# Altium PCB Graviton-RB1.PcbDoc (part 9 of 11) (continued)
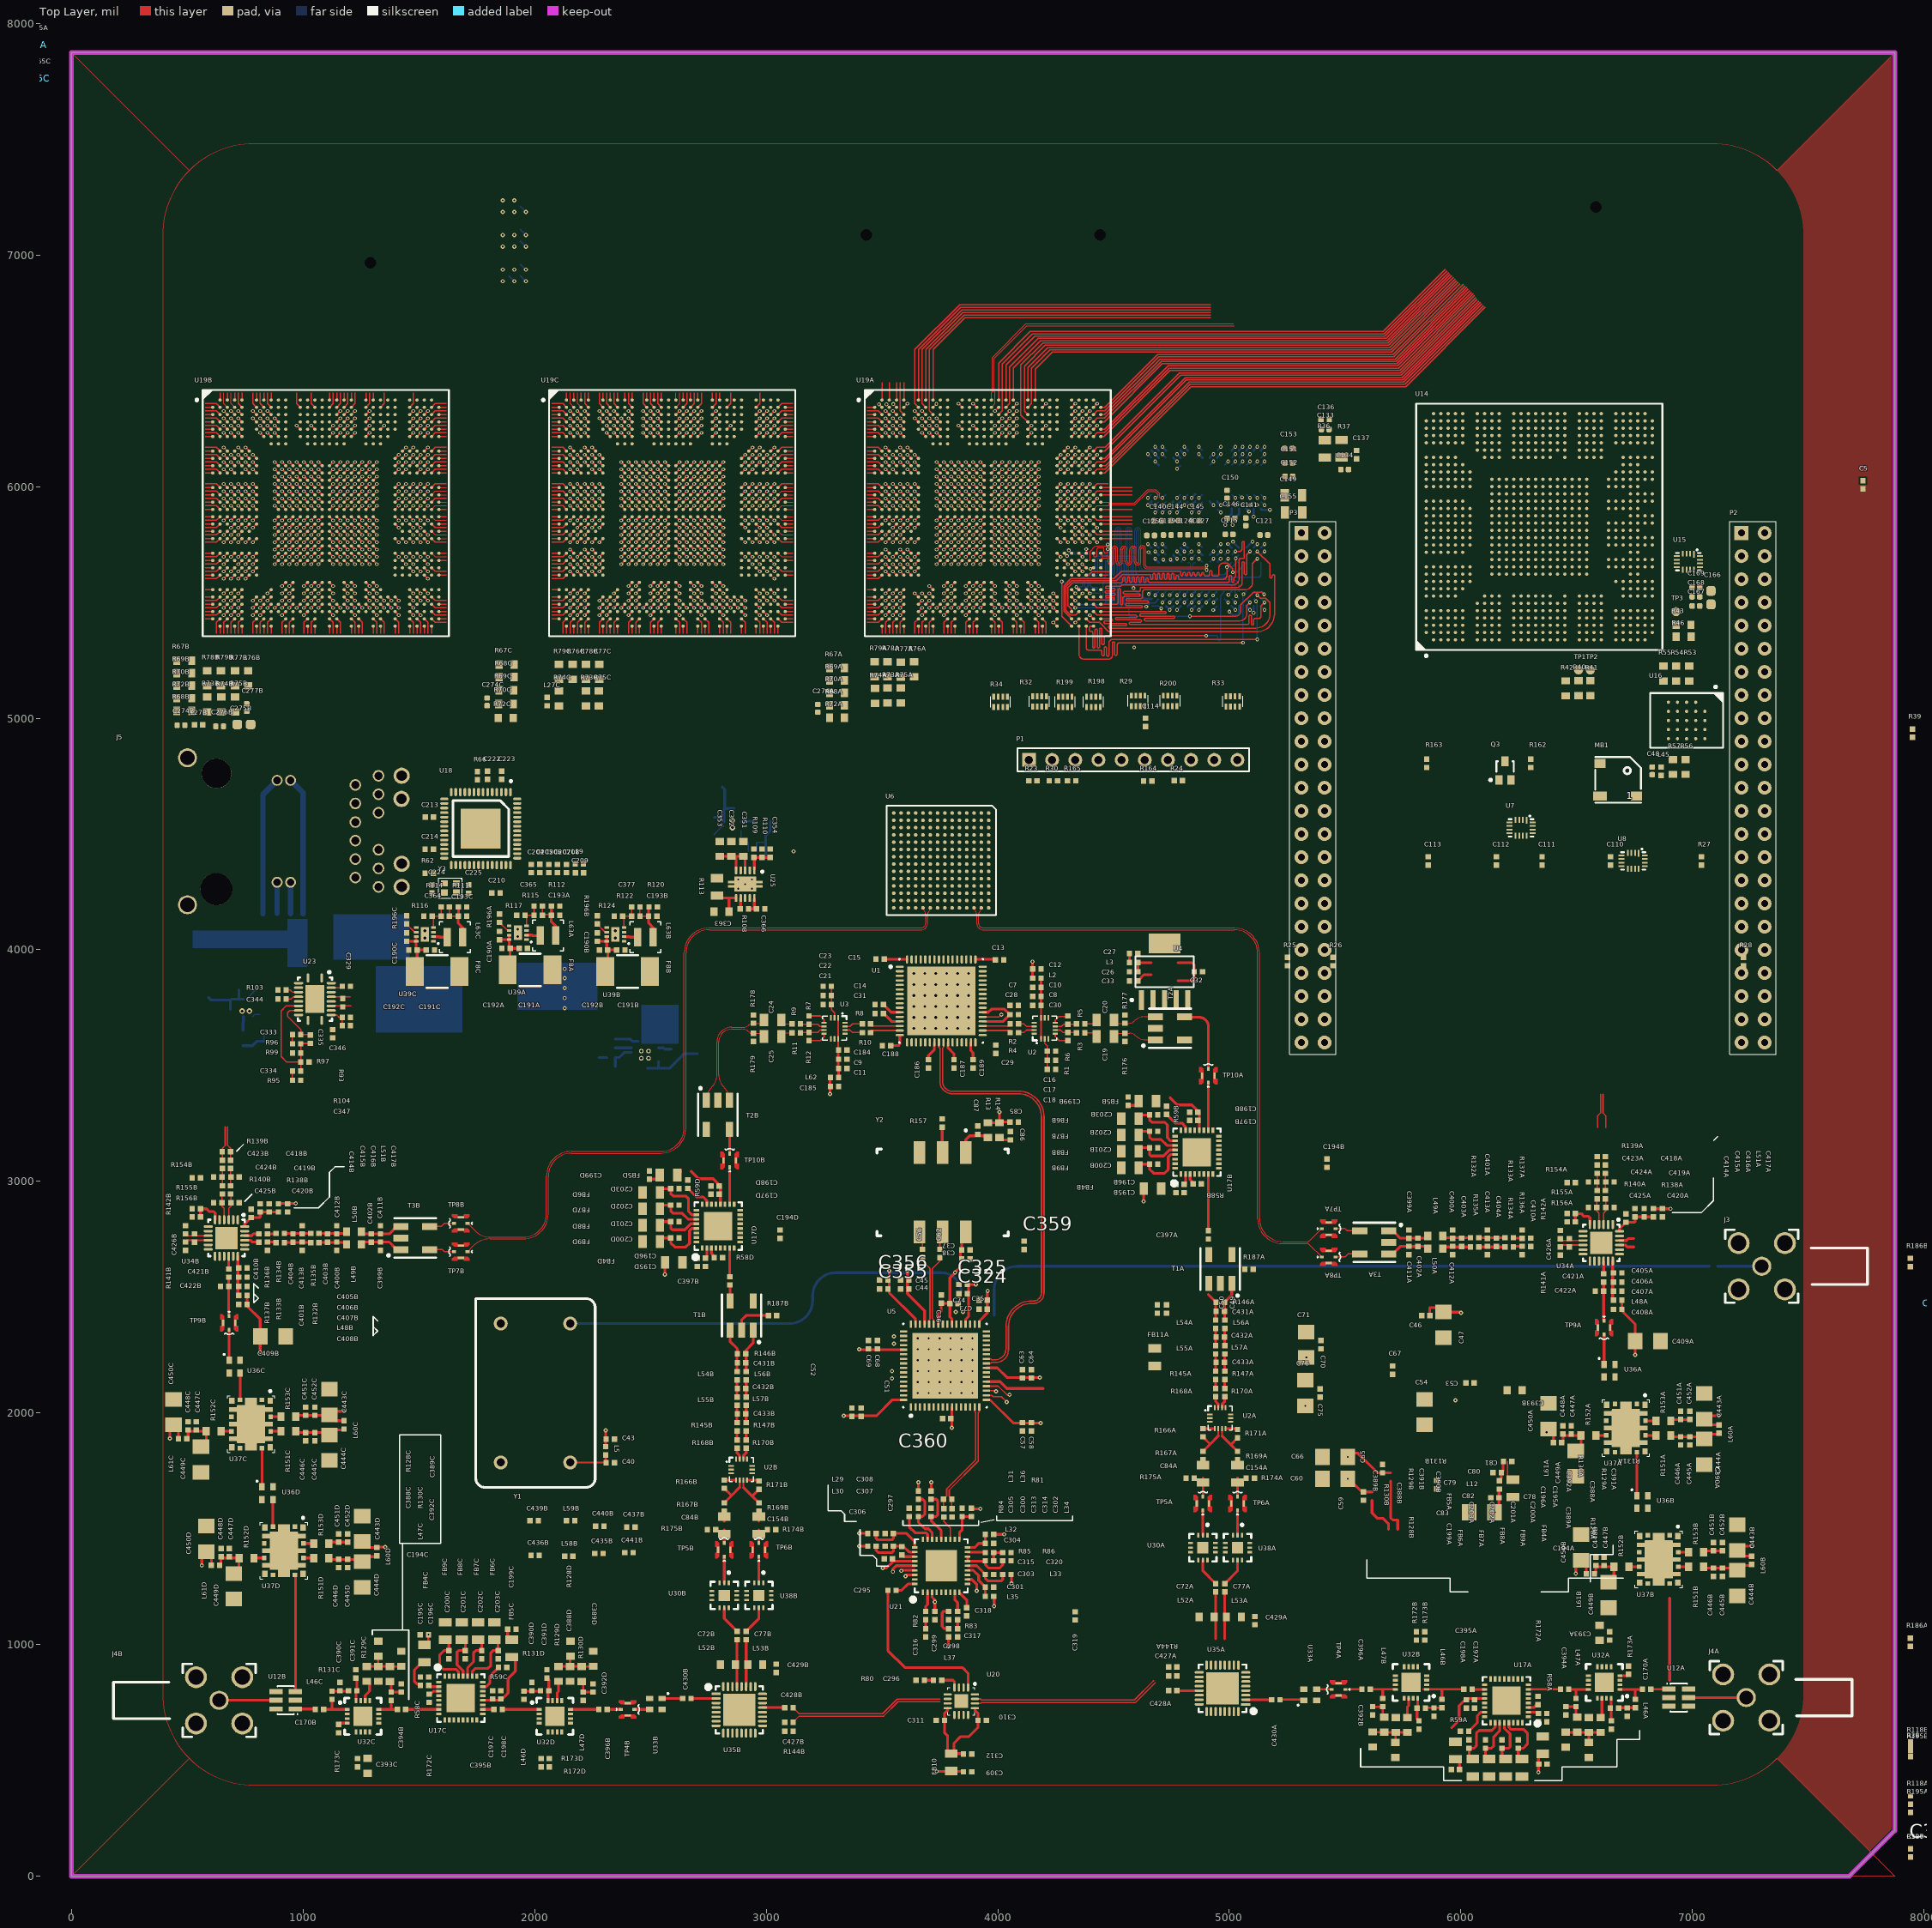
[diagram p0: Top Layer view]
## Nets (pads, with @x,y where several pads share a name; then routed paths per layer and width w, separated by ;. In a path a pad name is that pad's centre, name@x,y a point inside that pad or via, vN(x,y) a via of type N, cw(c..) or ccw(c..) an arc to the next point about the centre after c; other vN are vias at no path point) (continued)
  Top Layer w5: v1(2279.53,6106.3) U19C.K7@2295.28,6090.55
P2B.DDRCC.S37: J2.263 U19C.K5 | length 22.3
  Top Layer w5: v1(2216.54,6106.3) U19C.K5@2232.28,6090.55
P2B.DDRCC.S38: J2.265 U19C.L4 | length 22.3
  Top Layer w5: v1(2185.04,6074.8) U19C.L4@2200.79,6059.06
P2B.DDRCC.S39: J2.266 U19C.N3 | length 22.3
  Top Layer w5: v1(2153.54,6011.81) U19C.N3@2169.29,5996.06
P2B.DDRCC.S40: J2.268 U19C.N4 | length 22.3
  Top Layer w5: v1(2185.04,6011.81) U19C.N4@2200.79,5996.06
P2B.DDRCC.S41: J2.269 U19C.L7 | length 22.3
  Top Layer w5: v1(2279.53,6074.8) U19C.L7@2295.28,6059.06
P2B.DDRCC.S42: J2.272 U19C.L6 | length 22.3
  Top Layer w5: v1(2248.03,6074.8) U19C.L6@2263.78,6059.06
P2B.DDRCC.S43: J2.273 U19C.N6 | length 22.3
  Top Layer w5: v1(2248.03,6011.81) U19C.N6@2263.78,5996.06
P2B.DDRCC.S44: J2.275 U19C.N7 | length 22.3
  Top Layer w5: v1(2279.53,6011.81) U19C.N7@2295.28,5996.06
P2B.DDRCC.S45: J2.276 U19C.C5 | length 22.3
  Top Layer w5: v1(2216.54,6326.77) U19C.C5@2232.28,6311.02
P2B.DDRCC.S46: J2.278 U19C.D5 | length 22.3
  Top Layer w5: v1(2216.54,6295.28) U19C.D5@2232.28,6279.53
P2B.SDRCC.S2: J2.285 U19C.A2 | length 32.1
  Top Layer w4.72: U19C.A2@2137.8,6374.02 2137.8,6406.1
P2B.SDRCC.S3: J2.286 U19C.A3 | length 32.1
  Top Layer w4.72: U19C.A3@2169.29,6374.02 2169.29,6406.1
P2B.SDRCC.S4: J2.288 U19C.A4 | length 32.1
  Top Layer w4.72: U19C.A4@2200.79,6374.02 2200.79,6406.1
P2B.SDRCC.S5: J2.289 U19C.A5 | length 32.1
  Top Layer w4.72: U19C.A5@2232.28,6374.02 2232.28,6406.1
P2B.SDRCC.S6: J2.292 U19C.D7 | length 22.3
  Top Layer w5: v1(2279.53,6295.28) U19C.D7@2295.28,6279.53
P2B.SDRCC.S7: J2.293 U19C.C7 | length 22.3
  Top Layer w5: v1(2279.53,6326.77) U19C.C7@2295.28,6311.02
P2B.SDRCC.S8: J2.295 U19C.B7 | length 70.1
  Top Layer w4.72: 2279.53,6406.1 2279.53,6358.27 U19C.B7@2295.28,6342.52
P2B.SDRCC.S9: J2.296 U19C.A7 | length 32.1
  Top Layer w4.72: U19C.A7@2295.28,6374.02 2295.28,6406.1
P2B.SDRCC.S10: J2.298 U19C.F8 | length 22.3
  Top Layer w5: v1(2311.02,6232.28) U19C.F8@2326.77,6216.54
P2B.SDRCC.S11: J2.299 U19C.E8 | length 22.3
  Top Layer w5: v1(2311.02,6263.78) U19C.E8@2326.77,6248.03
P2B.SDRCC.S12: J2.302 U19C.D8 | length 22.3
  Top Layer w5: v1(2311.02,6295.28) U19C.D8@2326.77,6279.53
P2B.SDRCC.S13: J2.303 U19C.C8 | length 22.3
  Top Layer w5: v1(2311.02,6326.77) U19C.C8@2326.77,6311.02
P2B.SDRCC.S14: J2.305 U19C.B8 | length 70.1
  Top Layer w4.72: 2311.02,6406.1 2311.02,6358.27 U19C.B8@2326.77,6342.52
P2B.SDRCC.S15: J2.306 U19C.A8 | length 32.1
  Top Layer w4.72: U19C.A8@2326.77,6374.02 2326.77,6406.1
P2B.SDRCC.S16: J2.308 U19C.F9 | length 22.3
  Top Layer w5: v1(2342.52,6232.28) U19C.F9@2358.27,6216.54
P2B.SDRCC.S17: J2.309 U19C.D9 | length 22.3
  Top Layer w5: v1(2342.52,6295.28) U19C.D9@2358.27,6279.53
P2B.SDRCC.S18: J2.312 U19C.C9 | length 22.3
  Top Layer w5: v1(2342.52,6326.77) U19C.C9@2358.27,6311.02
P2B.SDRCC.S19: J2.313 U19C.A9 | length 32.1
  Top Layer w4.72: U19C.A9@2358.27,6374.02 2358.27,6406.1
P2B.SDRCC.S20: J2.315 U19C.F10 | length 22.3
  Top Layer w5: v1(2374.02,6232.28) U19C.F10@2389.76,6216.54
P2B.SDRCC.S21: J2.316 U19C.E10 | length 22.3
  Top Layer w5: v1(2374.02,6263.78) U19C.E10@2389.76,6248.03
P2B.SDRCC.S22: J2.318 U19C.D10 | length 22.3
  Top Layer w5: v1(2374.02,6295.28) U19C.D10@2389.76,6279.53
PGOOD-5V: R94.1 U23.11 U24.15 U39A.5 U39B.5 U39C.5 U39D.5 U39E.5
PP1V1: C171.2 C278A.2 C278B.2 C278C.2 C341.2 C342.2 C343.2 L18.1 L28A.1 L28B.1 L28C.1 L40.2 R102.1
PP1V2: C55A.2 C55B.2 C61A.2 C61B.2 C89.2 C93.2 C97.2 C107.2 C246C.2 L13.1 L14.1 L16.1 L23C.2 R112.2 R187A.2 R187B.2 U2A.2 U2B.2
PP1V2-DACCLK: C94.2 C95.2 C96.2 L14.2 U6.C12
PP1V2-DACDVDD: C104.2 C105.2 C106.2 C108.2 C109.2 L16.2 U6.B4 U6.D5 U6.D6 U6.E5 U6.E6 U6.E7 U6.F5 U6.G5 U6.H5 U6.J5 U6.K5 U6.K6 U6.K7 U6.L5 U6.L6
PP1V2-DACVDD: C90.2 C91.2 C92.2 L13.2 U6.D9 U6.E9 U6.E10 U6.F10 U6.G10 U6.H10 U6.J10 U6.K9 U6.K10 U6.L9
PP1V5: C115.2 C116.2 C117.2 C118.2 C119.2 C120.2 C121.2 C122.2 C123.2 C124.2 C125.2 C126.2 C129.2 C130.2 C131.2 C132.2 C135.2 C138.2 C139.2 C140.2 C141.2 C142.2 C143.2 C144.2 C145.2 C146.2 C147.2 C149.2 C151.2 C152.2 C153.2 C155.2 C160.2 C226A.2 C226B.2 C226C.2 C232A.2 C232B.2 C232C.2 C238A.2 C238B.2 C238C.2 C246A.2 C254A.2 C254B.2 C254C.2 C266A.2 C266B.2 C266C.2 C274A.2 C274B.2 C274C.2 C367.2 C368.2 L17.2 L20A.2 L20B.2 L20C.2 L21A.2 L21B.2 L21C.2 L22A.2 L22B.2 L22C.2 L23A.2 L24A.2 L24B.2 L24C.2 L26A.2 L26B.2 L26C.2 L27A.2 L27B.2 L27C.2 R31.1 R67A.2 R67B.2 R67C.2 R68A.2 R68B.2 R68C.2 R69A.2 R69B.2 R69C.2 R70A.2 R70B.2 R70C.2 R71A.2 R71B.2 R71C.2 R109.2 R120.2 U9.A1 U9.A8 U9.B2 U9.C1 U9.C9 U9.D2 U9.D9 U9.E9 U9.F1 U9.G7 U9.H2 U9.H9 U9.K2 U9.K8 U9.N1 U9.N9 U9.R1 U9.R9 U10.A1 U10.A8 U10.B2 U10.C1 U10.C9 U10.D2 U10.D9 U10.E9 U10.F1 U10.G7 U10.H2 U10.H9 U10.K2 U10.K8 U10.N1 U10.N9 U10.R1 U10.R9 U15.5 U15.6 U15.14 U15.16 U25.2 | length 417.3
  Bottom Layer w10: v2(4586,5562) 4632.5,5515.5 U9.A8@4663.75,5515.5 ; U10.A1@4663.75,6156 v2(4679.5,6140.25) ; U9.C9@4726.75,5484 v2(4742.5,5468.25) ; v2(4931.75,5500) U9.K8@4947.25,5515.5 ; v2(5000,5460) 5015,5445 5035,5445 ; v2(5014,5835) 5014,5853.62 5042,5881.62 U10.N9@5042,5904 ; v2(5015.75,5762) U9.N1@5041.75,5736 ; 5041.75,5451.75 5041.75,5461.37 5042,5461.62 5042,5474.88 5041.75,5475.13 U9.N9@5041.75,5484 ; v2(5105,5455) U9.R9@5105,5483.75 ; v2(5105,5870) U10.R9@5105,5904
  other v2: 4774,5468.25 4868.5,5468.25 4837,5531.25 4774,5688.75 4679.5,5720.25 4868.5,5720.25 4963,5720.25 4648,5751.75 4711,5751.75 4805.5,5751.75 5120.5,5751.75 4711,5888.25 4742.5,5888.25 4774,5888.25 4868.5,5888.25 4648,5919.75 4963,5919.75 4837,5951.25 4774,6108.75 4868.5,6140.25 4963,6140.25 4711,6171.75 4805.5,6171.75 5057.5,6171.75 5120.5,6171.75
PP1V8: C13.2 C14.2 C15.2 C112.2 C113.2 C246B.2 L23B.2 R111.2 U1.11 U1.49 U1.64 U7.13 U8.13 | length 269.2
  Top Layer w11.81: C14.2@3506.1,3763.78 3539.57,3730.31 U1.11@3576.77,3730.31 ; C15.2@3510.04,3958.66 U1.64@3608.27,3958.66 ; U1.49@3903.54,3958.66 C13.2@3989.96,3958.66
PP1V8-ADC: C27.2 C28.2 C29.2 C30.2 C31.2 C186.2 C187.2 C188.2 C189.2 L3.1 U1.13 U1.16 U1.23 U1.26 U1.31 U1.33 U1.36 U1.38 | length 717.5
  Top Layer w11.81: C31.2@3506.1,3724.41 3507.87,3724.41 3541.34,3690.94 U1.13@3576.77,3690.94 ; C188.2@3537.6,3586.61 3570.87,3586.61 3576.77,3592.52 U1.16@3576.77,3631.89 ; C186.2@3700.79,3525.79 3700.79,3543.31 3726.38,3568.9 U1.23@3726.38,3600.39 ; U1.26@3785.43,3600.39 3785.43,3576.77 3811.02,3551.18 C187.2@3811.02,3525.79 ; U1.31@3883.86,3600.39 3883.86,3564.96 3893.7,3555.12 C189.2@3893.7,3525.79 ; U1.36@3935.04,3690.94 4023.43,3690.94 C28.2@4052.95,3720.47 4029.33,3744.09 3972.44,3744.09 3958.66,3730.31 U1.38@3935.04,3730.31 ; L3.1@4568.7,3944.88 C27.2@4568.7,3984.25
PP1V8-ENET: C211.2 C212.2 C213.2 C214.2 U18.3 U18.19 U18.26 U18.35 U18.38 U18.39
PP1V-ENET: C220.2 C221.2 C222.2 C223.2 U18.6 U18.40 U18.42
PP2V5: C280A.2 C280B.2 C280C.2 C281A.2 C281B.2 C281C.2 C282A.2 C282B.2 C282C.2 C283A.2 C283B.2 C283C.2 R121.2 U14.AC11 U14.AC22 U14.K13 U14.K20 U14.N10 U14.N23 U14.Y10 U14.Y23 U19A.AC11 U19A.AC22 U19A.K13 U19A.K20 U19A.N10 U19A.N23 U19A.Y10 U19A.Y23 U19B.AC11 U19B.AC22 U19B.K13 U19B.K20 U19B.N10 U19B.N23 U19B.Y10 U19B.Y23 U19C.AC11 U19C.AC22 U19C.K13 U19C.K20 U19C.N10 U19C.N23 U19C.Y10 U19C.Y23 | length 534.5
  Top Layer w5: v1(877.95,5759.84) U19B.Y10@893.7,5775.59 ; v1(877.95,6011.81) U19B.N10@893.7,5996.06 ; v1(909.45,5665.35) U19B.AC11@925.2,5681.1 ; v1(972.44,6106.3) U19B.K13@988.19,6090.55 ; U19B.K20@1208.66,6090.55 v1(1224.41,6106.3) ; U19B.AC22@1271.65,5681.1 v1(1287.4,5665.35) ; U19B.Y23@1303.15,5775.59 v1(1318.9,5759.84) ; U19B.N23@1303.15,5996.06 v1(1318.9,6011.81) ; v1(2374.02,5759.84) U19C.Y10@2389.76,5775.59 ; v1(2374.02,6011.81) U19C.N10@2389.76,5996.06 ; v1(2405.51,5665.35) U19C.AC11@2421.26,5681.1 ; v1(2468.5,6106.3) U19C.K13@2484.25,6090.55 ; U19C.K20@2704.72,6090.55 v1(2720.47,6106.3) ; U19C.AC22@2767.72,5681.1 v1(2783.46,5665.35) ; U19C.Y23@2799.21,5775.59 v1(2814.96,5759.84) ; U19C.N23@2799.21,5996.06 v1(2814.96,6011.81) ; v1(3736.22,5759.84) U19A.Y10@3751.97,5775.59 ; v1(3736.22,6011.81) U19A.N10@3751.97,5996.06 ; v1(3767.72,5665.35) U19A.AC11@3783.46,5681.1 ; v1(3830.71,6106.3) U19A.K13@3846.46,6090.55 ; U19A.K20@4066.93,6090.55 v1(4082.68,6106.3) ; U19A.AC22@4129.92,5681.1 v1(4145.67,5665.35) ; U19A.Y23@4161.42,5775.59 v1(4177.17,5759.84) ; U19A.N23@4161.42,5996.06 v1(4177.17,6011.81)
PP2V7N: C199A.2 C199B.2 C199C.2 C199D.2 FB5A.2 FB5B.2 FB5C.2 FB5D.2 | length 108.7
  Top Layer w11.81: FB5C.2@1883.66,1039.76 C199C.2@1883.66,1066.93 ; C199D.2@2495.67,3009.65 FB5D.2@2522.83,3009.65 ; C199B.2@4562.99,3328.54 FB5B.2@4590.16,3328.54 ; C199A.2@5994.29,460.63 FB5A.2@5994.29,487.8
PP3V3: C6.2 C32.2 C39.2 C46.2 C47.2 C48.2 C53.2 C54.2 C59.2 C60.2 C65.2 C66.2 C70.2 C71.2 C75.2 C76.2 C82.2 C83.2 C88.2 C103.2 C110.2 C111.2 C156.2 C209.2 C258A.2 C258B.2 C258C.2 C299.2 C306.2 C309.2 C326.2 C327.2 C357.2 C358.2 C366.1 C438A.2 C438B.2 C442A.2 C442B.2 FB1.2 FB10.2 L1.1 L4.1 L6.1 L7.1 L8.1 L9.1 L10.1 L11.1 L12.1 L15.1 L19.1 L25A.2 L25B.2 L25C.2 L29.2 L30.2 L31.2 L32.2 L33.2 L34.2 L35.2 L36.2 L37.2 L38.1 L41.1 L45.1 L58A.1 L58B.1 L59A.1 L59B.1 MB1.1 P3.3 P3.4 R23.1 R25.2 R26.1 R27.1 R30.2 R87.2 R100.2 R108.2 R164.2 R180A.2 R180B.2 R183A.2 R183B.2 U4.1 U4.5 U7.14 U8.14 U21.3 U21.31 U25.10 | length 1573.5
  Top Layer w11.81: R108.2@2923.43,4177.17 C366.1@2958.46,4177.17 ; C366.1@2948.82,4177.17 U25.10@2948.82,4220.47 ; v3(3401.57,1425.2) L30.2@3438.78,1425.2 ; v3(3401.57,1480.32) L29.2@3438.78,1480.32 ; v3(3503.94,1330.71) 3519.69,1330.71 3545.47,1356.5 C306.2@3545.47,1370.08 ; C306.2@3545.47,1360.43 U21.31@3641.73,1360.43 ; L31.2@3657.48,1663.58 v3(3657.48,1700.79) ; L36.2@3712.6,1663.58 v3(3712.6,1700.79) ; U21.3@3716.54,1226.57 3716.54,1204.72 3728.35,1192.91 C299.2@3728.35,1143.9 ; v3(3736.22,452.76) C309.2@3850,452.76 ; v3(3787.4,992.13) L37.2@3787.4,1033.27 ; L34.2@3887.99,1586.61 v3(3925.2,1586.61) ; L32.2@3982.48,1476.38 v3(4027.56,1476.38) ; v3(3984.25,1165.35) L35.2@3984.25,1206.89 ; v3(4059.06,1263.78) L33.2@4059.06,1301.38 ; 4778.54,3867.13 4839.57,3867.13 4848.23,3875.79 C32.2@4848.23,3905.51 4848.23,3935.24 4839.57,3943.9 4778.54,3943.9 ; C66.2@5511.81,1826.77 5555.12,1826.77 5639.96,1741.93 C65.2@5661.42,1741.93 ; C60.2@5531.5,1700.79 5572.64,1659.65 C59.2@5578.74,1659.65 5616.14,1659.65 ; C65.2@5661.81,1742.32 5696.85,1742.32 ; C46.2@5866.34,2421.26 5865.35,2422.24 5865.35,2455.71 C47.2@5905.51,2455.71 ; C47.2@5925.2,2436.02 v3@5997.05,2436.02 ; v3(6145.67,1571.65) 6164.57,1590.55 C82.2@6164.57,1634.45 L12.1@6164.57,1669.88
  other v3: 3728.35,1185.04 5511.81,1716.54 5511.81,1811.02 5328.54,2031.5 5332.48,2240.16 6000,2433.07 3118.11,4425.2
PP3V3-ADC: C1.2 C2.2 C3.2 C4.2 C5.2 L1.2 U1.17 U1.32
PP3V3-DACAVDD: C98.2 C99.2 C100.2 C101.2 C102.2 L15.2 U6.D10 U6.E11 U6.F11 U6.G11 U6.H11 U6.J11 U6.K11 U6.L10
PP3V3-DIST: C157.2 C158.2 C159.2 FB1.1 U13.8 U13.13
PP3V3-ENET: C204.2 C205.2 C206.2 C207.2 C208.2 J5.18 L19.2 R66.2 U18.11 U18.20 U18.25 U18.36 U18.49 U18.52
PP3V3-LO-DIST: C310.2 C311.2 C312.2 FB10.1 U20.8 U20.13 | length 529.9
  Top Layer w11.81: FB10.1@3783.46,531.5 3783.46,606.3 3769.88,619.88 C311.2@3769.88,673.23 3769.88,702.95 3783.46,716.54 U20.8@3783.46,726.38 ; FB10.1@3795.28,533.66 FB10.1@3799.02,529.92 3849.8,529.92 C312.2@3852.17,527.56 ; FB10.1@3811.02,531.5 3811.02,574.8 3838.58,602.36 3874.02,602.36 3915.16,643.5 C310.2@3915.16,673.23 3915.16,702.95 3901.57,716.54 U20.13@3901.57,726.38
PP3V3-RXLOA: C439A.2 C440A.2 C441A.2 L59A.2 U35A.4
PP3V3-RXLOB: C439B.2 C440B.2 C441B.2 L59B.2 U35B.4
PP3V3-RXMIXA: C429A.2 C435A.2 C436A.2 C437A.2 L52A.2 L53A.2 L58A.2 U35A.10 U35A.31
PP3V3-RXMIXB: C429B.2 C435B.2 C436B.2 C437B.2 L52B.2 L53B.2 L58B.2 U35B.10 U35B.31
PP3V3-VCXO: C35.2 C36.2 C37.2 C38.2 C359.2 C360.2 L4.2 U5.10 U5.39 U5.42 Y2.6 | length 643.1
  Top Layer w11.81: U5.42@3743.11,2383.86 3743.11,2428.15 3755.91,2440.94 C36.2@3755.91,2474.21 C35.2@3791.34,2474.21 ; v3(3802.17,1937.01) U5.10@3802.17,2025.59 ; U5.39@3802.17,2383.86 3802.17,2406.5 3793.11,2415.55 C35.2@3793.11,2472.44 3793.11,2584.45 3838.58,2629.92 C37.2@3838.58,2700.79 ; C37.2@3844.69,2704.72 3844.69,2764.37 Y2.6@3861.81,2781.5
  other v3: 3815.85,2607.19
PP5V: C12.2 C43.2 C185.2 C194A.2 C194B.2 C194C.2 C194D.2 C331.2 C332.2 C336.2 C337.2 C338.2 C382A.2 C382B.2 C382C.2 C382D.2 C408A.2 C408B.2 C409A.2 C409B.2 C417A.2 C417B.2 C443A.2 C443B.2 C443C.2 C443D.2 C450A.2 C450B.2 C450C.2 C450D.2 C451A.2 C451B.2 C451C.2 C451D.2 C452A.2 C452B.2 C452C.2 C452D.2 F3.1 F8A.1 F8B.1 F8C.1 F8D.1 F8E.1 FB4A.2 FB4B.2 FB4C.2 FB4D.2 FB11A.2 FB11B.2 FB12A.2 FB12B.2 FB12C.2 FB12D.2 L2.1 L5.1 L39.2 L48A.1 L48B.1 L51A.1 L51B.1 L60A.2 L60B.2 L60C.2 L60D.2 L61A.1 L61B.1 L61C.1 L61D.1 L62.1 P3.5 P3.6 R95.1 R97.1 R153A.2 R153B.2 R153C.2 R153D.2 | length 71159.3
  Top Layer w10: FB4C.2@1524.61,999.21 1541.54,1016.14 v3(1541.54,1043.31)
  Top Layer w11.81: v3(425.2,1889.76) C450C.2@425.2,1944.88 ; L61C.1@462.4,1889.76 C450C.2@462.4,1927.36 ; v3(562.99,1342.52) C450D.2@562.99,1401.57 ; L61D.1@604.13,1342.52 C450D.2@604.13,1380.12 ; L48B.1@758.07,2507.87 758.07,2462.4 814.96,2405.51 C409B.2@814.96,2330.71 v3(814.96,2263.78) ; L51B.1@893.7,2903.74 895.47,2905.51 v3(968.5,2905.51) ; R153C.2@975,1989.96 C451C.2@1011.81,1989.96 C452C.2@1051.18,1989.96 C443C.2@1118.11,1989.96 ; C443C.2@1114.17,2007.87 v3(1177.17,2007.87) ; R153D.2@1116.73,1442.72 C451D.2@1153.54,1442.72 C452D.2@1192.91,1442.72 ; C443C.2@1139.57,1966.73 L60C.2@1177.17,1966.73 ; C443D.2@1281.3,1419.49 L60D.2@1318.9,1419.49 ; L60D.2@1318.9,1421.26 v3(1354.33,1421.26) ; L5.1@2307.09,1854.33 v3(2307.09,1925.2) ; v3(2562.99,2598.43) FB4D.2@2562.99,2649.61 ; v3(3275.59,3377.95) 3275.59,3447.05 L62.1@3277.36,3448.82 ; v3(4149.61,3948.82) 4149.61,3879.72 L2.1@4151.38,3877.95 ; v3(4629.92,2913.39) FB4B.2@4629.92,2972.44 ; v3(6334.65,448.82) FB4A.2@6334.65,527.56 ; L61A.1@6399.41,1872.05 C450A.2@6399.41,1909.65 ; v3(6496.06,1307.09) C450B.2@6496.06,1362.2 ; L61B.1@6541.14,1305.12 C450B.2@6541.14,1342.72 ; L48A.1@6695.08,2487.2 C408A.2@6695.08,2447.83 6695.08,2441.73 6751.97,2384.84 v3(6751.97,2251.97) ; L51A.1@6830.71,2883.07 6831.89,2881.89 v3(6905.51,2881.89) ; R153A.2@6912.01,1972.24 C451A.2@6948.82,1972.24 C452A.2@6988.19,1972.24 ; C443A.2@7051.18,1988.19 v3(7114.17,1988.19) ; R153B.2@7053.74,1405.31 C451B.2@7090.55,1405.31 C452B.2@7129.92,1405.31 ; C443A.2@7076.57,1949.02 L60A.2@7114.17,1949.02 ; C443B.2@7188.98,1425.2 v3(7255.91,1425.2) ; C443B.2@7218.31,1382.09 L60B.2@7255.91,1382.09
  Signal Layer 2 w11.81: v3(425.2,1889.76) 425.2,2866.14 1559.06,4000 2086.61,4000 2102.36,4000 2122.05,3980.32 2129.92,3972.44 2129.92,3952.76 v3(2129.92,3917.32) ; 4181.1,4153.54 4185.04,4153.54 6216.54,2122.05 6685.04,2122.05 6818.9,1988.19 v3(7114.17,1988.19)
  Signal Layer 2 w15.75: v3(562.99,1342.52) 708.66,1342.52 1263.78,1897.64 1263.78,3208.66 1905.51,3850.39 2114.17,3850.39 v3(2129.92,3834.65) ; v3(814.96,2263.78) 814.96,3094.49 1673.23,3952.76 2129.92,3952.76 3196.85,3952.76 3267.72,4023.62 3925.2,4023.62 4279.53,3669.29 4578.74,3669.29 6244.09,2003.94 6677.17,2003.94 v3(7255.91,1425.2) ; v3(968.5,2905.51) 968.5,3094.49 1791.34,3917.32 v3(2129.92,3917.32) 3070.87,3917.32 3397.64,3590.55 4507.87,3590.55 6181.1,1917.32 v3(6370.08,1917.32) ; v3(1177.17,2007.87) 1177.17,3204.72 1850.39,3877.95 v3(2129.92,3877.95) 3035.43,3877.95 3377.95,3535.43 4429.13,3535.43 6496.06,1468.5 v3(6496.06,1307.09) ; v3(1354.33,1421.26) 1354.33,3204.72 1964.57,3814.96 2110.24,3814.96 v3(2129.92,3834.65) ; v3(1541.54,1043.31) 1541.54,3277.76 2055.12,3791.34 v3(2129.92,3791.34) 2862.2,3791.34 v3(3275.59,3377.95) ; 2086.61,4000 2086.61,4271.65 2169.29,4354.33 4200.34,4354.33 5672.78,2881.89 v3(6905.51,2881.89) ; 2122.05,3980.32 2133.86,3980.32 ; v3(2307.09,1925.2) 2307.09,3035.43 2129.92,3212.6 v3(2129.92,3748.03) ; v3(2562.99,2598.43) 2562.99,3334.65 2149.61,3748.03 v3(2129.92,3748.03) ; v3(4149.61,3948.82) 4000,4098.43 2559.06,4098.43 2440.94,3980.32 2133.86,3980.32 ; 4181.1,4153.54 2354.33,4153.54 2208.66,4007.87 2133.86,4007.87 ; v3(4629.92,2913.39) 3338.58,2913.39 2503.94,3748.03 v3(2129.92,3748.03) ; v3(6334.65,448.82) 6334.65,1448.82 4326.77,3456.69 3358.27,3456.69 2980.31,3834.65 v3(2129.92,3834.65) ; v3(6751.97,2251.97) 6192.91,2251.97 4196.85,4248.03 2954.16,4248.03 2948.04,4241.91 2226.16,4241.91 2133.86,4149.61 2133.86,4007.87 ; 2133.86,3980.32 2133.86,4007.87
PP5V-ADCBUFFER-A: C7.2 C8.2 C10.2 L2.2 U2.1 U2.10 | length 261.6
  Top Layer w5.98: U2.1@4187.01,3616.14 U2.10@4187.01,3706.69 C7.2@4187.01,3759.65
  Top Layer w11.81: C7.2@4187.2,3759.84 C8.2@4187.2,3799.21 C10.2@4187.2,3838.58 L2.2@4187.2,3877.95
PP5V-ADCBUFFER-B: C9.2 C11.2 C184.2 L62.2 U3.1 U3.10 | length 255.7
  Top Layer w5.98: C184.2@3311.02,3568.7 U3.10@3311.02,3616.14 U3.1@3311.02,3706.69
  Top Layer w11.81: C11.2@3311.02,3489.96 C184.2@3311.02,3568.7 ; L62.2@3312.8,3449.21 C11.2@3312.8,3488.19
PP5V-LOA: C414A.2 C415A.2 C416A.2 L51A.2 U34A.24 | length 191.1
  Top Layer w11.81: U34A.24@6685.04,2784.45 6685.04,2796.06 C414A.2@6712.6,2823.62 6749.8,2823.62 6751.97,2825.79 C415A.2@6751.97,2847.24 C416A.2@6791.34,2847.24 L51A.2@6830.71,2847.24
PP5V-LOB: C414B.2 C415B.2 C416B.2 L51B.2 U34B.24 | length 179.6
  Top Layer w11.81: U34B.24@748.03,2805.12 748.03,2816.73 C414B.2@775.59,2844.29 812.8,2844.29 814.96,2846.46 C415B.2@814.96,2867.91 814.96,2868.31 L51B.2@881.89,2868.31
PP5V-MODA: C405A.2 C406A.2 C407A.2 L48A.2 R155A.1 U34A.18 | length 170.8
  Top Layer w5.98: L48A.2@6655.51,2490.94 L48A.2@6659.25,2487.2
  Top Layer w11.81: L48A.2@6655.51,2490.94 U34A.18@6655.51,2656.5
PP5V-MODB: C405B.2 C406B.2 C407B.2 L48B.2 R155B.1 U34B.18 | length 170.8
  Top Layer w5.98: L48B.2@718.5,2511.61 L48B.2@722.24,2507.87
  Top Layer w11.81: L48B.2@718.5,2511.61 U34B.18@718.5,2677.17
PP5V-OCXO: C40.2 C41.2 C42.2 L5.2 Y1.14 | length 183.9
  Top Layer w5.98: Y1.14@2153.94,1786.61 C40.2@2306.3,1786.61
  Top Layer w11.81: C40.2@2307.09,1787.4 L5.2@2307.09,1818.9
PP8V: U11A.8 U11B.8
PP48V: J1.222 J1.223 J1.225 J1.226 J1.228 J1.229 J1.232 J1.233 J1.235 J1.236 J1.238 J1.239 J1.242 J1.243 J1.245 J1.246 J1.248 J1.249
PP-OUTA: C193A.2 C365.2 L63A.2 R112.1 R115.2 | length 212.5
  Top Layer w5.98: R115.2@2032.24,4152.2 C193A.2@2071.22,4152.2 ; R115.2@2033.66,4153.62 C365.2@2033.66,4188.98
  Top Layer w11.81: C193A.2@2071.22,4152.2 2071.22,4122.87 2091.1,4102.99 L63A.2@2091.1,4061.65 ; C193A.2@2072.64,4149.61 R112.1@2072.64,4188.98
PP-OUTB: C193B.2 C377.1 L63B.2 R120.1 R122.1 | length 213.7
  Top Layer w5.98: C377.1@2454.92,4185.04 R122.1@2454.92,4145.67 C193B.2@2492.13,4145.67
  Top Layer w11.81: R120.1@2492.48,4183.62 C193B.2@2492.48,4145.32 2492.48,4115.98 2512.36,4096.1 L63B.2@2512.36,4054.76
PP-OUTC: C193C.2 C364.2 L63C.2 R111.1 R114.2 | length 214.7
  Top Layer w5.98: C364.2@1632.09,4185.04 R114.2@1632.09,4145.67 C193C.2@1669.29,4145.67
  Top Layer w11.81: C193C.2@1669.65,4145.32 1669.65,4115.98 1689.53,4096.1 L63C.2@1689.53,4054.76 ; C193C.2@1671.06,4145.67 R111.1@1671.06,4185.04
PP-OUTD: C193D.2 C378.2 L63D.2 R121.1 R123.2 | length 137.8
  Bottom Layer w5.98: 831.34,3605.95 831.34,3644.92
  Bottom Layer w11.81: 740.79,3586.06 782.13,3586.06 802.01,3605.95 831.34,3605.95
PP-OUTE: C193E.2 C328.2 L63E.2 R87.1 R88.2 | length 233.9
  Bottom Layer w5.98: C328.2@2958.86,4425.2 R88.2@2958.86,4464.57 C193E.2@2997.83,4464.57
  Bottom Layer w11.81: R87.1@3001.77,4409.45 2997.83,4413.39 C193E.2@2997.83,4464.57 2997.83,4493.9 3017.72,4513.78 L63E.2@3017.72,4555.12
PPCLK0: C51.2 C52.2 L7.2 U5.64 | length 287.4
  Top Layer w11.81: v3(3334.65,1988.19) 3476.38,1988.19 3545.28,2057.09 U5.64@3593.5,2057.09
PPCLK1: C57.2 C58.2 L8.2 U5.17 | length 444.6
  Top Layer w11.81: U5.17@3951.77,2057.09 3951.89,2056.97 3966.65,2056.97 4066.93,1956.69 v3(4185.04,1956.69) ; 5616.14,1623.82 5616.14,1568.9 5639.96,1545.08 5664.17,1545.08 5687.99,1521.26 5687.99,1498.03
PPCLK2: C63.2 C64.2 L9.2 U5.24 | length 480.1
  Top Layer w11.81: U5.24@3951.77,2194.88 3998.03,2194.88 4039.37,2153.54 v3(4181.1,2153.54) ; 5696.85,1706.5 5696.85,1547.24 5705.91,1538.19 5727.36,1538.19 5727.36,1498.03
PPCLK3: C68.2 C69.2 L10.2 U5.53 | length 190
  Top Layer w11.81: v3@3403.54,2273.62 U5.53@3593.5,2273.62
  other v3: 3401.57,2275.59
PPCLK4: C73.2 C74.2 C361.2 L11.2 U5.21 U5.33 | length 416.1
  Top Layer w11.81: U5.33@3920.28,2383.86 3920.28,2396.65 3954.92,2431.3 C73.2@3954.92,2448.82 C74.2@3954.92,2488.19 3954.92,2525.79 v3(3956.69,2527.56) ; U5.21@3951.77,2135.83 4009.84,2135.83 4039.37,2106.3 4196.85,2106.3
PPCLK5: C80.2 C81.2 L12.2 | length 89.1
  Top Layer w11.81: L12.2@6164.57,1709.25 6174.41,1719.09 C80.2@6174.41,1742.72 6182.09,1750.39 C81.2@6182.09,1791.14
PPCLK6: C44.2 C45.2 L6.2 U5.45 | length 260.9
  Top Layer w11.81: v3(3610.24,2614.17) 3610.24,2515.75 3684.05,2441.93 U5.45@3684.05,2383.86
PPCLK7: C324.2 C325.2 L38.2 U5.36 | length 205.9
  Top Layer w11.81: U5.36@3861.22,2383.86 3861.22,2404.53 3874.02,2417.32 C325.2@3874.02,2547.24 ; C325.2@3868.31,2555.12 v3(3905.51,2555.12)
PPCLK8: C355.2 C356.2 L41.2 U5.47 | length 277.2
  Top Layer w11.81: v3(3531.5,2614.17) 3531.5,2519.68 3644.68,2406.5 U5.47@3644.68,2383.86
PWR_BUT: P3.9
RAMCLK_N: U5.2 U19A.AE32 | length 32.1
  Top Layer w4.72: U19A.AE32@4444.88,5618.11 4476.97,5618.11
RAMCLK_P: U5.1 U19A.AD32
RAMCLKB_N: U19B.AE32 | length 32.1
  Top Layer w4.72: U19B.AE32@1586.61,5618.11 1618.7,5618.11
RAMCLKB_P: U19B.AD32
RAMCLKC_N: U19C.AE32 | length 32.1
  Top Layer w4.72: U19C.AE32@3082.68,5618.11 3114.76,5618.11
RAMCLKC_P: U19C.AD32
RC-AA: C170A.1 L46A.2 U32A.1 | length 143.7
  Top Layer w11.81: U32A.1@6687.01,807.09 C170A.1@6788.78,807.09 ; L46A.2@6752.95,763.98 6752.95,805.91
RC-AB: C170B.1 L46C.2 U32C.1 | length 140.6
  Top Layer w10: 5852.36,807.09 5852.56,807.28
  Top Layer w11.81: C170B.1@1092.72,720.47 U32C.1@1190.94,720.47 ; 1125,721.46 L46C.2@1125,763.58
RC-BA: C394A.2 L47A.2 U32A.12 | length 125
  Top Layer w11.81: C394A.2@6465.75,807.09 6496.06,807.09 ; L47A.2@6497.05,767.91 6497.05,806.1 6496.06,807.09 ; U32A.12@6551.18,807.09 6496.06,807.09
RC-BB: C394B.2 L47C.2 U32C.12 | length 117.7
  Top Layer w11.81: U32C.12@1326.77,720.47 C394B.2@1407.28,720.47 ; 1380.91,722.44 L47C.2@1380.91,759.65
RC-CA: C394A.1 U17A.7 | length 138.6
  Top Layer w10: U17A.7@6291.34,807.09 C394A.1@6429.92,807.09
RC-CB: C394B.1 U17C.7 | length 143.5
  Top Layer w11.81: C394B.1@1443.11,720.47 U17C.7@1586.61,720.47
RC-DA: C395A.2 U17A.18 | length 307.3
  Top Layer w11.81: C395A.2@6053.35,807.09 U17A.18@6102.36,807.09 ; 6206.69,663.39 6206.69,643.85 6216.69,633.86 6271.65,633.86 6287.4,618.11 6287.4,570.87 6269.49,552.95 6248.03,552.95 6248.03,521.85 6263.78,506.1
RC-DB: C395B.2 U17C.18 | length 49
  Top Layer w11.81: U17C.18@1775.59,720.47 C395B.2@1824.61,720.47
RC-EA: C395A.1 L46B.2 U32B.1 | length 216.1
  Top Layer w10: 5838.58,807.09 C395A.1@6012.6,807.09
  Top Layer w11.81: L46B.2@5918.31,763.98 5918.31,806.1
RC-EB: C395B.1 L46D.2 U32D.1 | length 162
  Top Layer w11.81: C395B.1@1862.4,722.44 C395B.1@1860.43,720.47 U32D.1@2019.68,720.47
RC-FA: C396A.2 L47B.2 U32B.12 | length 147
  Top Layer w10: C396A.2@5609.45,807.09 U32B.12@5716.54,807.09 U32B.12@5718.31,807.09
  Top Layer w11.81: L47B.2@5662.4,767.91 5662.4,806.1
RC-FB: C396B.2 L47D.2 U32D.12 | length 121.9
  Top Layer w11.81: U32D.12@2155.51,720.47 C396B.2@2277.36,720.47
RC-GA: C396A.1 TP4A.C | length 57.9
  Top Layer w10: 5514.76,807.09 C396A.1@5572.64,807.09
RC-GB: C396B.1 TP4B.C | length 58.9
  Top Layer w11.81: C396B.1@2313.19,720.47 TP4B.C@2372.05,720.47
RC-HA: TP4A.A U33A.3 | length 65
  Top Layer w10: U33A.3@5376.97,807.09 TP4A.A@5441.93,807.09
RC-HB: TP4B.A U33B.3 | length 61
  Top Layer w11.81: TP4B.A@2431.1,720.47 U33B.3@2492.13,720.47
RC-JA: C430A.1 U33A.1 | length 112.4
  Top Layer w10: C430A.1@5219.29,762.8 U33A.1@5331.69,762.8
RC-JB: C430B.1 U33B.1 | length 86.6
  Top Layer w11.81: U33B.1@2551.18,767.72 C430B.1@2637.8,767.72
RC-KA_N: TP6A.C U38A.2 | length 107.9
  Top Layer w11.81: U38A.2@5035.43,1472.44 TP6A.C@5035.43,1580.32
RC-KA_P: TP5A.C U30A.2 | length 107.9
  Top Layer w11.81: U30A.2@4885.83,1472.44 TP5A.C@4885.83,1580.32
RC-KB_N: TP6B.C U38B.2 | length 107.9
  Top Layer w11.81: U38B.2@2968.5,1266.14 TP6B.C@2968.5,1374.02
RC-KB_P: TP5B.C U30B.2 | length 107.9
  Top Layer w11.81: U30B.2@2818.9,1266.14 TP5B.C@2818.9,1374.02
RC-LA_N: C154A.2 R174A.1 TP6A.A | length 79.5
  Top Layer w10: TP6A.A@5035.43,1641.54 5035.43,1721.06
RC-LA_P: C84A.2 R175A.1 TP5A.A | length 79.5
  Top Layer w10: TP5A.A@4885.83,1641.54 4885.83,1721.06
RC-LB_N: C154B.2 R174B.1 TP6B.A | length 57.1
  Top Layer w11.81: TP6B.A@2968.5,1438.98 C154B.2@2968.5,1496.06
RC-LB_P: C84B.2 R175B.1 TP5B.A | length 57.1
  Top Layer w11.81: TP5B.A@2818.9,1438.98 C84B.2@2818.9,1496.06
RC-MA_P: C431A.2 L54A.1 R146A.2 T1A.3 | length 126.2
  Top Layer w11.81: 4909.45,2511.42 R146A.2@4942.72,2478.15 R146A.2@4942.72,2482.48 ; L54A.1@4940.94,2401.57 R146A.2@4940.94,2476.38
RC-MB_P: C431B.2 L54B.1 R146B.2 T1B.3 | length 190.8
  Top Layer w11.81: T1B.3@2843.7,2358.66 2843.7,2309.84 2875.79,2277.76 R146B.2@2875.79,2255.91 ; L54B.1@2874.02,2179.33 R146B.2@2874.02,2254.13
RC-NA: C397A.2 T1A.4
RC-NA_P: C431A.1 L56A.1 R146A.1 T1A.1 | length 169.4
  Top Layer w11.81: R146A.1@4978.54,2478.15 5010.63,2510.24 T1A.1@5010.63,2559.45 ; L56A.1@4980.31,2401.57 R146A.1@4980.31,2476.38
RC-NB: C397B.2 T1B.4 | length 67.9
  Top Layer w11.81: T1B.4@2843.7,2483.86 C397B.2@2843.7,2551.77
RC-NB_P: C431B.1 L56B.1 R146B.1 T1B.1 | length 190.8
  Top Layer w11.81: R146B.1@2911.61,2255.91 2911.61,2269.88 2943.7,2301.97 T1B.1@2943.7,2358.66 ; L56B.1@2913.39,2179.33 R146B.1@2913.39,2254.13
RC-PA: C397A.1 U17B.7 | length 241.9
  Top Layer w11.81: C397A.1@4909.45,2789.57 U17B.7@4909.45,3031.5
RC-PB: C397B.1 U17D.7 | length 124
  Top Layer w10: U17D.7@2842.13,2712.6 2842.52,2712.2 C397B.1@2842.52,2588.78
RC-QA: TP10A.C U17B.18 | length 208.5
  Top Layer w11.81: U17B.18@4909.45,3220.47 TP10A.C@4909.45,3428.94
RC-QB: TP10B.C U17D.18 | length 159.6
  Top Layer w10: U17D.18@2842.13,2901.57 2842.52,2901.97 TP10B.C@2842.52,3061.02
RC-RA: T2A.4 TP10A.A | length 309.9
  Top Layer w11.81: T2A.4@4806.69,3711.42 ccw(c4809.45,3711.42) 4809.45,3708.66 4870.08,3708.66 cw(c4870.08,3669.29) 4909.45,3669.29 TP10A.A@4909.45,3486.22
RC-RB: T2B.4 TP10B.A | length 103.5
  Top Layer w11.81: TP10B.A@2842.52,3120.08 T2B.4@2842.52,3223.62
REGCAP1: C210.1 U18.37
REGCAP2: C210.2 U18.41
RFRX-INA: C170A.2 U12A.1 | length 76.6
  Top Layer w10: C170A.2@6820.08,807.09 U12A.1@6896.65,807.09
RFRX-INB: C170B.2 U12B.1 | length 87.4
  Top Layer w11.81: U12B.1@963.58,722.44 C170B.2@1050.98,722.44
RFTXOUTA: U12A.3 U37B.16 | length 358.5
  Top Layer w11.81: 6901.57,846.46 6901.57,1200.79 ; U37B.16@6901.57,1263.78 U37B.16@6904.53,1260.83
RFTXOUTB: U12B.3 U37D.16 | length 505.2
  Top Layer w11.81: U37D.16@964.57,1301.18 967.52,1298.23 U12B.3@967.52,797.24
RX2-BANK3-DDRCTRL.CASN: U19B.W30 | length 22.3
  Top Layer w5: U19B.W30@1523.62,5807.09 v1(1539.37,5791.34)
RX2-BANK3-DDRCTRL.CKE: U19B.U28 | length 22.3
  Top Layer w5: U19B.U28@1460.63,5870.08 v1(1476.38,5854.33)
RX2-BANK3-DDRCTRL.CLK_N: U19B.AC32 | length 32.1
  Top Layer w4.72: U19B.AC32@1586.61,5681.1 1618.7,5681.1
RX2-BANK3-DDRCTRL.CLK_P: U19B.AB32 | length 32.1
  Top Layer w4.72: U19B.AB32@1586.61,5712.6 1618.7,5712.6
RX2-BANK3-DDRCTRL.CSN: U19B.U29 | length 22.3
  Top Layer w5: U19B.U29@1492.13,5870.08 v1(1507.87,5854.33)
RX2-BANK3-DDRCTRL.ODT: U19B.V26 | length 22.3
  Top Layer w5: U19B.V26@1397.64,5838.58 v1(1413.39,5822.83)
RX2-BANK3-DDRCTRL.RASN: U19B.Y30 | length 22.3
  Top Layer w5: U19B.Y30@1523.62,5775.59 v1(1539.37,5759.84)
RX2-BANK3-DDRCTRL.RSTN: U19B.T29 | length 22.3
  Top Layer w5: U19B.T29@1492.13,5901.57 v1(1507.87,5917.32)
RX2-BANK3-DDRCTRL.WEN: U19B.AE31
RX2-BANK3-DQ32.DQ6_G3: U19B.AD30 | length 22.3
  Top Layer w5: U19B.AD30@1523.62,5649.61 v1(1539.37,5633.86)
RX2-BANK3-DQ32.DQ7_G3: U19B.AE30 | length 22.3
  Top Layer w5: U19B.AE30@1523.62,5618.11 v1(1539.37,5602.36)
RX2-BANK3-DQS32.DQM0: U19B.T32 | length 32.1
  Top Layer w4.72: U19B.T32@1586.61,5901.57 1618.7,5901.57
RX2-BANK3-DQS32.DQM1: U19B.U32 | length 32.1
  Top Layer w4.72: U19B.U32@1586.61,5870.08 1618.7,5870.08
RX2-BANK3-DQS32.DQM2: U19B.V32 | length 32.1
  Top Layer w4.72: U19B.V32@1586.61,5838.58 1618.7,5838.58